# KiCad board PC110.kicad_pcb (continued)
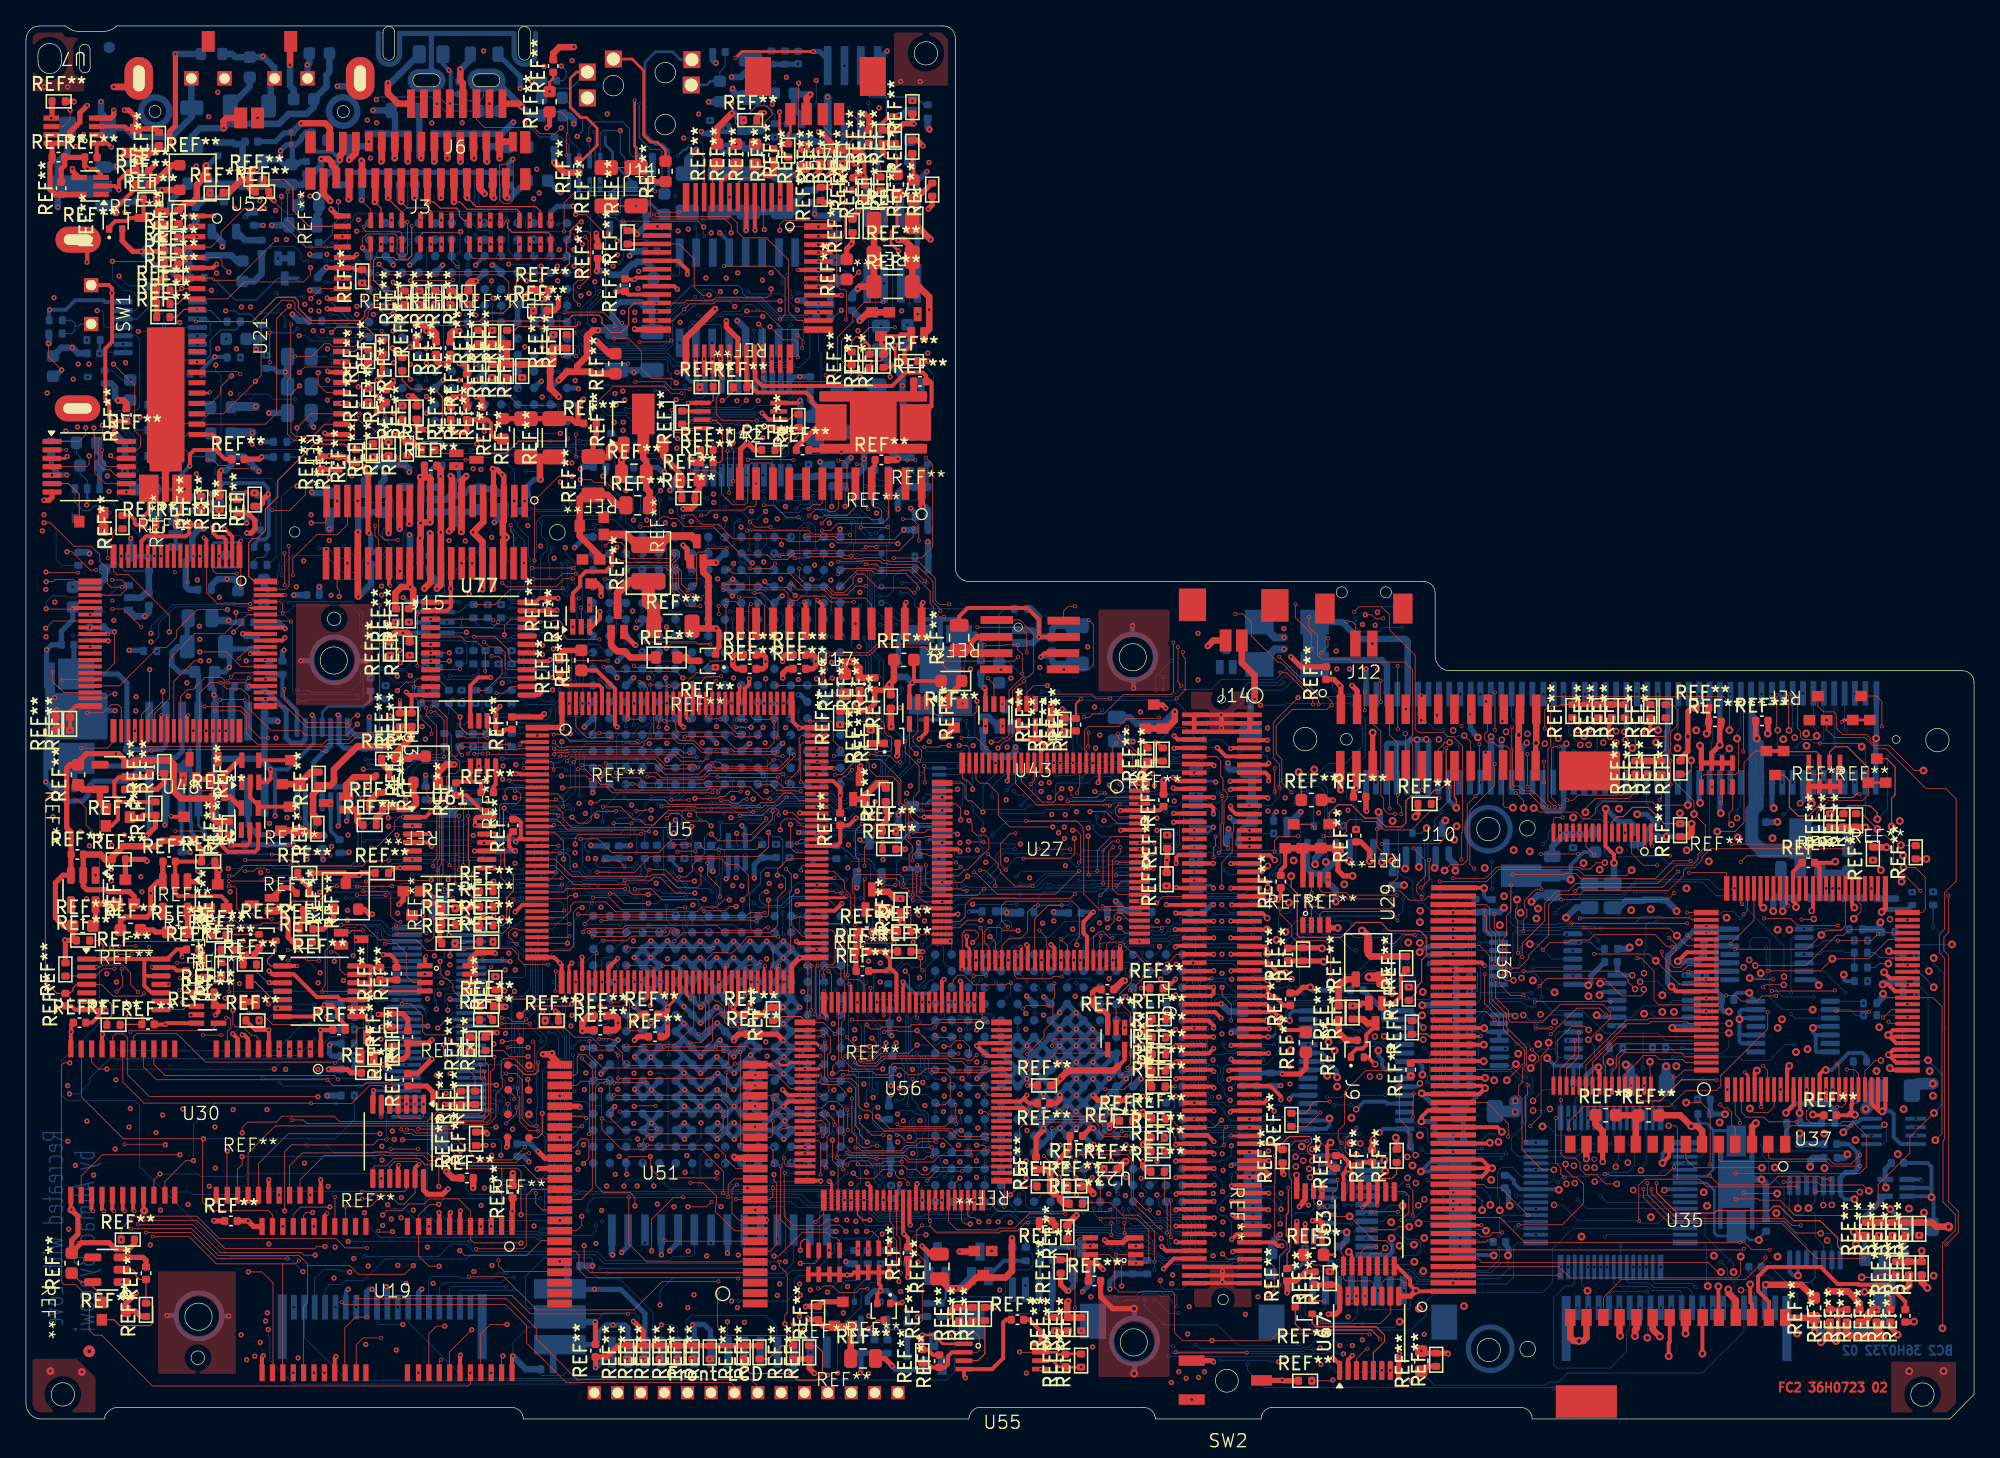
[diagram p0: board, top side]
## Routing (per net, layer and track width the routed paths; a pad name or vN(x,y) marks a point on that pad's centre or on a via; arc(x,y) is an arc through that point) (continued)
55.52,68.45 55.52,68.83 55.26,69.09 55.26,69.41 55.15,69.52 55.15,70.49 55.27,70.61 v11(55.27,70.89) ; v11(8.48,73.03) 7.66,73.03 v11(7.63,73.06) 7.63,72.82 7.72,72.73 7.72,70.45 7.1,69.83 v11(6.44,69.83) ; v11(141.68,55.91) 141.68,52.46 143.1,51.04 v11(143.39,51.04) ; v3(119.17,46.35) 119.93,45.59 119.93,43.51 118.12,41.7 118.12,38.35 118.96,37.51 118.96,36.6 118.45,36.09 118.45,32.27 118.25,32.07 118.25,29.69 v11(118.78,29.16) ; v11(61.46,63.44) v11(62.33,63.44) ; v11(59.33,70.17) 59.01,69.85 v11(59.01,68.01) 59.01,65.6 v1(58.13,64.72) ; v11(64.91,31.56) 64.52,31.56 64.28,31.8 v11(62.76,31.8) ; v5(107.71,16.91) 109.19,15.43 109.19,15.22 v11(110.47,13.94) ; v11(53.16,41.22) 52.55,41.83 50.93,41.83 50.74,41.64 49.84,41.64 49.76,41.56 49.76,37.81 49.87,37.7 49.87,35.19 49.34,34.66 45.34,34.66 45.08,34.92 v11(45.08,35.57) ; v3(114.53,47.11) 114.53,49.21 114.54,49.22 114.54,49.41 112.41,51.54 112.41,53.15 111.77,53.79 v11(110.14,53.79) ; v11(38.5,73.01) 38.5,71.04 39.22,70.32 39.22,69.11 38.96,68.85 v1(38.65,68.85) ; v11(52.89,39.44) 52.89,38.44 52.09,37.64 50.49,37.64 v11(50.03,38.1) ; v1(62.04,58.31) 62.74,57.61 v11(62.74,56.66) ; v11(63.45,49.75) 67.81,49.75 67.84,49.72 67.89,49.72 68.57,49.04 68.57,48.54 68.25,48.22 v1(67.84,48.22) ; v11(57.9,70.79) 56.89,70.79 v11(56.87,70.81) ; v11(46.55,21.54) 46.55,21.88 46.79,22.12 48.19,22.12 48.79,21.52 v11(48.79,21.11) ; v11(29.72,41.98) 29.72,51.44 29.05,52.11 29.05,53.17 29.64,53.76 29.64,54.63 29.95,54.94 29.95,56.51 30.26,56.82 30.26,57.84 29.74,58.36 29.74,61.08 29.51,61.31 v11(29.16,61.31) ; v11(41.09,56.17) 46.31,56.17 46.71,55.77 47.27,55.77 47.32,55.82 v11(48.4,55.82) ; v11(98.5,13.15) 98.5,12.58 97.93,12.01 96.75,12.01 v11(95.92,11.19) ; v11(24.6,81.06) 24.19,81.47 24.19,82.33 24.29,82.43 24.29,84.2 24.16,84.33 24.16,84.96 24.3,85.1 24.3,88.61 24.54,88.85 v11(24.8,88.85) ; v11(61.45,58.43) 61.79,58.77 62.69,58.77 62.84,58.92 63.8,58.92 64.26,58.46 64.27,58.47 66.88,58.47 67.33,58.92 67.33,63.13 67.83,63.63 67.83,66.32 67.96,66.45 v11(68.47,66.45) ; v11(60.36,33.09) 60.77,32.68 60.77,26.65 60.32,26.2 57.56,26.2 57.45,26.31 v11(57.07,26.31) ; v11(41.3,57.68) 41.3,57.66 41.29,57.65 41.48,57.46 43.71,57.46 v11(44.19,56.98) ; v1(53.14,69.57) 53.14,68.77 53.38,68.53 53.78,68.53 54.06,68.25 54.06,65.99 53.72,65.65 53.72,65.61 53.26,65.15 52.87,65.15 v11(52.54,64.82) ; v11(53.52,54.56) 53.52,54.89 53.27,55.14 53.27,55.2 53.23,55.24 v11(53.23,58.53) ; v11(59.58,36.34) 58.39,36.34 57.51,35.46 57.51,35.22 57.29,35 54.31,35 53.94,35.37 53.94,36.88 53.48,37.34 50.7,37.34 v11(50.69,37.33) ; 58.88,51.83 58.84,51.79 ; 58.88,51.83 58.74,51.69 58.74,51.39 59.12,51.01 59.12,49.51 59.63,49 59.63,47.99 60.19,47.43 60.19,43.39 58.86,42.06 58.86,40.25 57.95,39.34 56.93,39.34 55.62,40.65 53.93,40.65 53.68,40.9 53.03,40.9 52.48,41.45 v1(51.49,41.45) 50.29,41.45 50.04,41.2 v11(50.04,38.91) ; 13.97,82.82 13.97,83.65 13.41,84.21 13.01,84.21 11.97,85.25 v11(10.44,85.25) ; 13.97,82.82 v11(13.21,82.82) ; 13.97,82.82 14.11,82.82 14.52,83.23 v11(15.42,83.23) ; v11(33.56,56.16) 33.56,56.66 33.66,56.76 33.66,58.04 33.97,58.35 33.97,59.96 33.51,60.42 33.51,61.01 v11(33.54,61.04) ; v1(51.29,45.66) 51.55,45.92 51.55,46.96 50.86,47.65 50.86,50.34 51.62,51.1 52.25,51.1 52.73,51.58 52.73,53.57 53.2,54.04 53.74,54.04 54,54.3 54,58.69 54.18,58.87 v11(54.43,58.87) ; v1(43.01,25.38) 43.45,24.94 45.8,24.94 46.24,25.38 v11(46.24,25.81) ; v11(41.02,78.1) 41.67,78.1 ; 41.67,78.1 41.68,78.11 41.68,79.86 41.85,80.03 v1(42.3,80.03) ; 41.67,78.1 43.97,78.1 v11(44.01,78.14) ; v11(42.31,56.82) 42.63,56.82 42.78,56.67 46.91,56.67 47.44,57.2 v11(47.44,57.56) ; v11(28.01,42.56) 27.47,43.1 27.47,46.5 27.93,46.96 27.93,48.78 27.73,48.98 27.73,51.11 27.33,51.51 27.33,52.95 v11(27.69,53.31) ; v11(63.35,26.4) 63,26.05 v11(63,24.08) ; v11(69.39,64.45) 69.54,64.3 69.54,62.61 70.38,61.77 85.91,61.77 89.13,58.55 93.75,58.55 95.38,56.92 95.38,55.78 96.24,54.92 100.26,54.92 101.26,53.92 102.04,53.92 102.84,53.12 102.84,51.85 101.52,50.53 101.52,49.7 100.25,48.43 100.25,47.39 v1(99.57,46.71) ; v11(38.67,98.01) 39.43,97.25 41.98,97.25 42.78,96.45 v1(42.78,92.25) ; v11(61.46,52.86) 61.07,53.25 60.65,53.25 59.95,53.95 59.42,53.95 59.12,54.25 59.12,54.74 59.22,54.84 59.22,55.13 59.04,55.31 58.82,55.31 58.08,54.57 v11(56.44,54.57) ; v11(52.78,47) 52.77,46.99 v1(52.77,45.71) ; v11(53.2,50.12) 53.2,49.62 53.06,49.48 53.06,45.94 53.2,45.8 53.2,44.93 52.48,44.21 v11(51.77,44.21) ; v11(108.92,39.32) 108.52,38.92 v11(108.52,35.74) ; v11(52.46,70.97) 52.46,69.08 v11(53.65,67.89) ; v1(4.7,22.95) 4.7,32.16 3.03,33.83 3.03,35.73 2.46,36.3 2.46,37.34 3.3,38.18 3.3,43.59 2.91,43.98 2.91,45.35 4.56,47 4.56,60.66 v11(4.91,61.01) ; v11(50.01,66.06) 50.01,68.25 49.91,68.34 v1(49.91,68.92) ; v11(53.85,70.3) 53.87,70.28 v1(53.87,69.36) ; v11(67.67,70.81) 67.18,70.81 66.55,70.18 66.55,65.21 67,64.76 v11(67,61.24) ; v11(39.51,73.01) 39.51,73.91 38.96,74.46 37.96,74.46 37.13,75.29 37.13,79.28 37.27,79.42 v11(37.27,79.84) ; v11(116.21,30.41) 116.21,31.8 v11(116.2,31.81) ; v11(146.9,40.62) 146.88,40.6 v11(145.29,40.6) ; v1(36.69,29.08) 36.69,28.22 37.65,27.26 42.49,27.26 42.68,27.45 43.21,27.45 44.03,28.27 44.03,29.61 44.95,30.53 v11(44.95,33.02) ; v11(50.86,40.24) 50.86,39.22 51.51,38.57 v11(51.94,38.57) ; v11(108.93,40.54) 108.57,40.9 107.04,40.9 106.78,40.64 104.56,40.64 102.47,42.73 v11(102.44,42.73) ; v11(140.88,49.06) 141.85,49.06 143.7,47.21 v3(143.7,45.65) ; v11(44.58,78.09) 43.06,79.61 43.06,79.91 42.3,80.67 v11(41.05,80.67) ; v1(42.3,44.29) 42.73,43.86 42.73,40.18 42.21,39.66 42.21,38.78 43.48,37.51 43.48,32.31 43.67,32.12 v11(43.67,31.7) ; v11(62.99,33.54) 63.49,33.54 64.06,32.97 65.19,32.97 65.83,32.33 65.83,29.6 65.62,29.39 65.62,28.67 65.41,28.46 65.41,26.93 66.2,26.14 66.2,24.55 66.31,24.44 66.31,22.87 65.63,22.19 65.63,20.24 65.4,20.01 65.4,19.04 65.31,18.95 65.31,16.76 64.59,16.04 64.59,15.14 64.75,14.98 v1(64.75,14.46) ; v11(37.41,59.21) 38.14,59.21 v11(38.33,59.02) ; v11(15.17,52.26) 14.51,51.6 14.51,32.73 13.87,32.09 v1(12.08,32.09) ; v11(46.24,27.46) 45.79,27.91 v1(44.27,27.91) ; v11(7.72,95.71) 7.83,95.82 v11(10.86,95.82) ; v11(11.33,77.78) 11.33,80.2 10.55,80.98 10.55,84.14 v11(10.63,84.22) ; v11(52.6,62.17) 52.6,60.87 53.06,60.41 56.75,60.41 57.32,60.98 v11(57.64,60.98) ; v11(54.94,44.04) 55.39,43.59 v11(55.39,43.45) ; v11(64.43,65.17) 64.43,66.96 v11(64.41,66.98) ; v11(62.71,62.23) 63.12,62.23 63.28,62.07 64.43,62.07 64.88,62.52 64.88,67.04 64.6,67.32 v1(62.08,67.32) ; v1(61.94,94.95) 61.14,94.95 60.45,94.26 v11(50.04,94.26) ; v11(63.5,37.19) 63.79,37.48 63.79,40.28 63.48,40.59 63.48,41.07 64.11,41.7 v11(64.11,43.51) ; v11(46.81,52.62) 47.1,52.62 47.3,52.42 47.3,51.51 47.08,51.29 46.84,51.29 46.55,51 46.55,50.1 46.7,49.95 46.7,48.5 v11(46.1,47.9) ; v11(24.77,88.22) 25.39,88.22 25.81,88.64 25.81,88.91 27.06,90.16 29.8,90.16 v11(30.31,90.67) ; v11(38.54,76.25) 37.93,76.86 37.93,78.93 37.79,79.07 37.51,79.07 37.35,78.91 37.35,75.45 38.16,74.64 39.32,74.64 40.14,73.82 40.14,71.67 40.76,71.05 42.51,71.05 42.69,71.23 v1(42.69,72.38) ; v11(50.75,63.43) 50.75,60.61 50.12,59.98 50.12,58.74 49.93,58.55 49.93,55.18 49.26,54.51 48.84,54.51 48.64,54.31 47.53,54.31 47.16,53.94 45.02,53.94 43.95,52.87 43.95,51.43 43.03,50.51 v11(41.94,50.51) ; v11(46.17,55.83) 45.7,55.36 42.57,55.36 42.46,55.47 41.97,55.47 41.86,55.36 40.99,55.36 40.94,55.31 v11(40.5,55.31) ; v1(88.26,10.43) 88.26,9.89 87.84,9.47 87.84,8.09 88.35,7.58 v11(88.35,5.62) ; v11(60.52,70.5) 60.27,70.75 60.27,71.28 60.42,71.43 61.32,71.43 61.75,71 v11(63.4,71) ; v11(53.24,39.74) 53.24,38.28 v11(52.6,37.64) ; 10.05,78.27 v11(10.05,74.21) ; v11(10.75,79.28) 9.93,79.28 9.55,78.9 9.55,75.85 9.75,75.65 9.75,70.46 10.86,69.35 11.03,69.35 13.95,66.43 13.95,62.75 ; v1(39.77,78.76) 39.06,78.76 38.58,79.24 38.58,79.77 38.01,80.34 37.11,80.34 v11(36.78,80.67) ; v11(62.8,27.03) 62.8,24.51 62.55,24.26 62.55,23.71 v11(62.17,23.33) ; v1(55.49,78.49) 56.04,77.94 57.25,77.94 59.24,75.95 59.24,71.67 v11(58.96,71.39) ; v11(55.7,66.93) 55.7,66.62 55.55,66.47 55.55,63.28 56.31,62.52 57.18,62.52 57.92,61.78 59.29,61.78 v11(59.46,61.95) ; v11(49.98,63.42) 49.98,60.78 48.88,59.68 48.88,59.15 49.4,58.63 49.4,57.56 49.69,57.27 49.69,56.9 49.44,56.65 49.44,55.21 49.18,54.95 47.37,54.95 47.05,54.63 v11(45.67,54.63) ; v11(57.43,65.33) 57.43,65.73 57.29,65.87 57.29,68.12 56.55,68.86 56.55,71.87 57.16,72.48 57.16,73.39 57.01,73.54 57.01,75.08 57.27,75.34 57.27,75.9 v1(56.78,76.39) ; v11(46.19,77.85) 46.19,77.83 45.82,77.46 45.16,77.46 44.94,77.24 v11(44.37,77.24) ; v11(28.95,75.71) 28.95,76.28 28.74,76.49 26.88,76.49 26.05,77.32 26.05,77.88 26.29,78.12 28.71,78.12 28.94,78.35 28.94,78.73 v11(28.93,78.74) ; v11(60.21,36.9) 59.78,37.33 v11(58.35,37.33) ; v1(28.05,54.19) 28.05,54.76 27.7,55.11 v11(27.7,56.51) ; v3(145.04,16.21) 145.04,21.98 145.55,22.49 v11(145.55,22.49) ; v11(41.22,82.38) v11(42.22,82.38) ; v11(58.73,53.92) 58.22,53.92 58.03,53.73 58.03,52.63 57.85,52.45 57.85,51.47 58.04,51.28 58.57,51.28 58.93,50.92 58.93,50.53 58.65,50.25 56.37,50.25 55.92,49.8 55.92,48.72 56.01,48.63 v1(56.01,47.77) ; v11(48.11,76.22) 48.09,76.24 48.09,83.1 48.43,83.44 49.33,83.44 50.39,84.5 v1(50.39,84.51) ; 77.05,3.53 v1(77.06,3.53) 76.28,2.75 11.12,2.75 7.94,5.93 v1(7.94,22.49) ; v11(26.42,50.43) 26.42,49.59 26.32,49.49 v1(26.32,48.71) ; v11(36.56,79.57) 36.56,79.94 36.75,80.13 37.67,80.13 38.37,79.43 38.37,78.17 39.2,77.34 42.52,77.34 44.6,75.26 v11(46,75.26) 46.26,75.26 46.42,75.42 46.42,76.66 46.26,76.82 v1(46.01,76.82) ; v3(146.16,49.97) 139.39,49.97 v11(138.48,49.06) ; v11(42.64,48.03) 42.13,47.52 v11(42.13,46.99) ; v11(26.39,77.51) 26.39,77.73 26.55,77.89 29.12,77.89 29.45,78.22 v1(29.45,78.83) ; v1(44.29,39.43) 44.29,34.51 44.82,33.98 v11(45.6,33.98) ; v11(24.32,72.52) 24.32,80.59 24.46,80.73 30.2,80.73 30.39,80.54 31.08,80.54 31.29,80.75 31.29,81.87 v11(31.48,82.06) ; v1(94.89,9.41) 95.36,8.94 95.81,8.94 96.37,9.5 96.37,9.83 v11(96.87,10.33) ; v11(140.08,49.06) 140.08,48 142.16,45.92 142.16,45.21 142.81,44.56 143.53,44.56 144.33,45.36 v3(144.33,46.08) ; v11(37.83,92.25) 37.83,93.44 39.34,94.95 v1(39.34,96.31) ; v11(41.6,49.98) 41.6,50.68 41.77,50.85 43.11,50.85 43.63,51.37 v11(43.63,52.53) ; v11(59.63,23.62) 60.06,23.62 60.59,23.09 60.59,19.52 59.65,18.58 v1(59.65,13) ; v11(103.98,49.06) 104.61,49.69 112.8,49.69 113.91,48.58 113.91,47.05 114.38,46.58 114.85,46.58 v3(115.35,47.08) ; v11(48.28,53.47) 48.51,53.47 49.1,54.06 49.5,54.06 50.8,55.36 50.8,56.15 50.13,56.82 50.13,57.96 50.82,58.65 50.82,60.08 51.25,60.51 v11(51.25,65.12) ; v11(135.95,32.85) v11(135.95,31.19) ; v11(113.46,36.72) 114.4,36.72 v11(115.05,37.37) ; v11(65.84,12.98) 65.61,12.98 65.08,13.51 65.08,14.17 65.31,14.4 65.31,15.02 v1(65,15.33) ; v11(65.05,68.18) 65.09,68.14 65.09,62.47 64.4,61.78 62.42,61.78 v11(62.03,62.17) ; v11(38.03,83.19) 38.68,83.84 v11(42.99,83.84) ; v11(134.31,20.66) 134.24,20.66 133.2,19.62 133.2,16.21 135.35,14.06 135.35,11.18 134.99,10.82 133.09,10.82 128.5,15.41 128.5,20.21 128.06,20.65 127.37,20.65 127.13,20.41 127.13,19.76 126.11,18.74 122.32,18.74 122.2,18.86 118.69,18.86 117.7,19.85 113.47,19.85 112.47,20.85 v11(112.15,20.85) ; v11(46.07,72.37) 45.56,72.88 v11(45.56,73.4) ; v11(119.14,36.09) 119.2,36.15 v11(119.2,40.4) ; v11(41.04,76.84) v11(42.31,76.84) ; v11(55.7,59.87) 52.18,59.87 51.43,59.12 51.43,54.86 50.19,53.62 50.19,53.07 49.82,52.7 49.82,49.14 49.2,48.52 49.2,44.8 49.03,44.63 47.6,44.63 47.39,44.84 46.26,44.84 45.83,44.41 45.83,41.85 45.78,41.8 v11(45.78,38.12) ; v11(64.64,45.77) 65.28,45.77 65.58,46.07 65.58,46.67 64.79,47.46 64.79,47.88 v11(65.49,48.58) ; v11(47.96,38.05) 47.36,38.65 v11(47.36,41.84) ; v11(43.51,85.25) 43.47,85.25 43.11,84.89 43,84.89 42.76,84.65 41.3,84.65 41.06,84.89 v11(41.07,84.9) ; v11(60.82,67) 61.2,66.62 63.98,66.62 v11(64.01,66.59) ; v11(119.16,44.02) 118.88,43.74 v3(115.83,43.74) ; v11(77.99,51.11) 77.99,51.92 78.29,52.22 83.69,52.22 84.72,53.25 90.51,53.25 91.37,52.39 93.24,52.39 93.89,51.74 93.89,49.2 94.76,48.33 96.01,48.33 v11(96.25,48.09) ; v11(50.81,41.15) 51.11,41.15 51.25,41.01 52.03,41.01 52.73,40.31 v11(53.48,40.31) 53.75,40.04 53.75,38.06 54.36,37.45 56.49,37.45 57.19,38.15 v11(58.96,38.15) ; v11(42.99,52.8) 43.45,52.8 44.91,54.26 47.11,54.26 47.49,54.64 v11(48.01,54.64) ; v11(53.02,76.31) 53.02,79.23 52.62,79.63 52.62,80.11 52.86,80.35 53.32,80.35 53.66,80.01 58.07,80.01 v11(58.14,79.93) ; v11(53.46,68.91) 54,68.91 54.27,68.64 54.27,67.03 54.99,66.31 v11(54.99,65.99) ; v11(93.55,12.58) 93.59,12.62 93.59,15.04 93.97,15.42 93.97,16.49 95,17.52 95,18.67 94.71,18.96 v11(94.53,18.96) ; v11(53.25,81.22) 54.23,80.24 56.56,80.24 56.87,80.55 58.17,80.55 58.56,80.16 58.56,76.9 59.45,76.01 59.45,70.68 59.66,70.47 59.66,70.03 59.23,69.6 59.23,68.43 59.34,68.32 59.34,64.3 59.58,64.06 60.12,64.06 v11(60.81,63.37) ; v11(38.97,57.12) 38.97,57.48 39.17,57.68 40.93,57.68 41.38,57.23 42.63,57.23 42.74,57.12 v11(43.6,57.12) ; v1(59.65,9.53) 59.16,10.02 59.16,12.28 v11(58.5,12.94) ; v11(42.64,28.04) 42.64,28.21 42.41,28.44 42.41,30.74 v1(42.05,31.1) 41.62,31.1 41.4,31.32 41.4,32.25 40.37,33.28 40.37,37.8 40.78,38.21 40.78,39.11 40.61,39.28 40.61,48.81 40.88,49.08 41.61,49.08 42.83,50.3 43.1,50.3 44.17,51.37 44.17,52.66 45.26,53.75 47.43,53.75 48.06,53.12 48.54,53.12 49.3,53.88 49.72,53.88 51.03,55.19 51.03,59.87 51.93,60.77 51.93,63.75 51.84,63.84 51.84,66.59 v11(52.5,67.25) ; v11(60.22,38.17) 59.92,38.47 57.16,38.47 56.48,37.79 55.27,37.79 54.17,38.89 v1(54.17,40.01) ; v11(108.65,32.44) 108.65,30.16 108.59,30.1 v11(108.59,28.63) ; v11(30.62,55.92) 30.61,55.91 30.61,53.99 30.52,53.9 v1(30.52,53.35) ; v11(40.24,29.8) 40.24,31.54 39.74,32.04 39.74,41.09 39.84,41.19 39.84,53.29 39.47,53.66 39.47,54.73 40.33,55.59 41.06,55.59 41.13,55.52 41.77,55.52 41.88,55.63 42.59,55.63 42.7,55.52 45.24,55.52 v11(45.54,55.82) ; v11(55.75,56.46) 58.38,56.46 58.91,56.99 v11(58.91,57.55) ; v11(63.83,60.5) 65.5,60.5 66.09,61.09 66.09,61.36 65.99,61.46 v11(65.99,61.73) ; v11(41.69,75.41) 41.69,72.72 v1(41.17,72.2) ; v11(49.33,63.41) 49.66,63.08 v11(49.66,62.19) ; v11(57.59,66.77) 57.59,68.49 v11(57.61,68.51) ; v11(114,20.47) 117.23,20.47 117.44,20.68 118.92,20.68 119.81,21.57 119.81,27.01 119.54,27.28 v11(119.54,28.45) ; v11(59.63,24.59) 60.8,24.59 61.66,25.45 61.66,27.33 61.14,27.85 61.14,30.21 61.98,31.05 v11(62.59,31.05) ; v11(40.72,51.17) 42.97,51.17 v11(42.99,51.15) ; v11(57.49,37.43) 56.74,37.43 56.56,37.25 54.26,37.25 53.51,38 53.51,39.84 53.3,40.05 v1(52.25,40.05) ; v1(58.51,53.28) 59.01,52.78 59.61,52.78 59.7,52.69 v11(60.12,52.69) ; v11(7.48,82.82) 7.48,82.83 7.48,85.42 v11(7.48,85.42) ; v11(57.47,18.28) 57.47,16.37 v11(57.48,16.36) ; 22.26,45.67 v13(22.28,45.69) 22.29,45.7 ; v11(118.68,37.33) 118.68,36.97 118.04,36.33 118.04,33.56 118.26,33.34 118.26,32.47 117.33,31.54 117.33,31.02 116.16,29.85 116.16,29.25 116.02,29.11 116.02,28.74 115.43,28.15 115.43,27.63 115.29,27.49 115.29,27.13 114.96,26.8 114.54,26.8 113.94,27.4 v11(113.94,28.51) ; v11(55.72,58.34) 56.38,58.34 56.78,57.94 59.35,57.94 v11(59.55,57.74) ; v11(45.97,36.83) 46.43,37.29 47.01,37.29 47.25,37.05 47.65,37.05 48.4,37.8 48.4,40.19 48.54,40.33 48.54,40.38 48.55,40.39 v1(48.55,41.28) ; 13.95,62.75 13.46,62.26 ; v11(54.93,69.23) v11(54.93,71.18) ; v11(109.32,26.38) 109.04,26.38 108.57,25.91 108.57,25.55 108.85,25.27 108.85,17.86 108.37,17.38 107.16,17.38 106.93,17.15 106.93,16.77 v5(107.24,16.46) ; v1(56.87,91.66) 56.87,92.96 56.19,93.64 49.72,93.64 49.4,93.96 49.4,94.46 50.22,95.28 v11(50.22,97.36) ; v11(42.03,59.07) 43.39,59.07 v11(43.47,58.99) ; v11(64.29,47.99) 64.29,47.36 63.39,46.46 63.39,46.1 v11(63.67,45.82) ; 40.12,99.5 v1(40.11,99.49) ; v11(108.57,25.02) 108.57,17.97 108.16,17.56 106.8,17.56 106.55,17.31 v3(106.55,14.81) ; v11(41.17,27.69) 43.02,27.69 43.28,27.95 43.28,29.17 44.77,30.66 44.77,32.22 44.6,32.39 v11(44.31,32.39) ; v11(49.58,70.94) 49.03,70.39 48.49,70.39 48.28,70.6 47.09,70.6 46.86,70.83 46.86,74.08 46.59,74.35 v11(46.32,74.35) ; v11(55.83,75.93) 56.32,75.44 56.32,68.62 56.83,68.11 v1(56.83,66.05) 56.83,65.15 56.47,64.79 56.47,63.71 57.32,62.86 59.03,62.86 59.1,62.79 v11(59.51,62.79) ; v11(67.5,64.44) 67.5,66.54 68.53,67.57 68.53,69.03 69.53,70.03 69.53,71.83 v11(69.01,72.35) 69.39,72.73 v11(69.39,78.02) ; v11(45.99,75.64) 44.83,75.64 v11(43.3,77.17) ; v11(64.04,71.63) 64.04,74.27 63.34,74.97 61.73,74.97 v11(61.74,74.96) ; v11(104.18,20.77) 104.2,20.79 v11(107.5,20.79) ; v11(62.16,21.99) 61.78,21.99 60.96,21.17 60.96,19.41 60.03,18.48 60.03,13.88 60.24,13.67 60.24,12.59 v1(59.64,11.99) ; v1(98.78,16.48) 99.36,16.48 100.6,17.72 100.6,20.83 100.89,21.12 100.89,23.54 100.75,23.68 v11(100.75,24.2) ; v11(48.09,62.49) 47.74,62.84 47.31,62.84 v1(46.73,62.26) ; v11(136.08,49.06) 136.08,46.75 139.35,43.48 144.51,43.48 v3(144.59,43.4) ; v11(33.55,61.7) 35.02,61.7 37.1,63.78 39.54,63.78 39.84,64.08 40.95,64.08 41.08,64.21 42.18,64.21 42.6,63.79 43.72,63.79 43.97,64.04 46.13,64.04 46.47,63.7 46.47,63.26 45.61,62.4 45.61,62.05 45.87,61.79 47.58,61.79 47.81,61.56 47.81,58.4 48.12,58.09 v11(48.12,57.57) ; v11(58.75,52.54) 59.56,52.54 59.94,52.16 63.15,52.16 63.28,52.03 64.3,52.03 64.73,52.46 v11(67.77,52.46) ; v1(27.04,78.83) 26.39,79.48 26.39,80.01 v11(26.4,80.02) ; v11(35.39,59.21) 35.81,58.79 36.69,58.79 36.85,58.64 37.42,58.64 38.03,58.02 38.03,56.41 38.24,56.2 v11(38.24,55.5) ; v11(57.49,47.62) 57.49,46.47 57.3,46.28 v11(57.05,46.28) ; v11(141.54,31.12) 141.54,30.39 142.93,29 146.58,29 v11(147.73,30.15)
  BC1 w0.08: v11(70.57,4.1) 68.61,4.1 v11(67.89,4.82) ; v11(4.76,80.3) 5.41,80.95 5.41,81.85 v11(5.68,82.12)
  BC1 w0.1: 40.12,99.5 40.12,100.07 40.16,100.11 41.24,100.11 41.98,99.37 42.6,99.37 42.79,99.18 v11(43.78,99.18) ; v11(57.42,105.42) 57.59,105.25 v11(57.59,103.02) ; v1(52.02,99.21) 53.62,99.21 v11(53.88,99.47) 54.6,99.47 54.86,99.2 57.29,99.2 v11(57.71,98.78) ; v1(58.05,100.72) 58.05,99.71 58.77,98.99 58.77,97.62 57.86,96.71 51.68,96.71 50.38,98.01 47.66,98.01 46.66,97.01 46.66,93.42 v11(46.65,93.41) ; v1(51.81,100.56) 52.33,100.04 52.7,100.04 ; v11(51.11,98.11) 51.34,98.34 53.02,98.34 53.45,97.92 v11(53.88,97.92)
  BC1 w0.15: 43.23,101.14 43.23,100.83 43.82,100.24 44.14,100.24 44.62,99.76 v11(44.62,98.92)
  BC1 w0.2: v13(69.92,6) 69.92,7.29 70.6,7.97 70.6,8.09 70.86,8.35 70.97,8.35 71.87,9.25 v13(76.04,9.25) ; v13(70.2,12.92) 72.07,11.05 76.61,11.05 76.99,10.67 v13(76.99,10.29) ; v13(78.1,13.21) 77.72,12.83 73.54,12.83
  BC1 w0.3: v13(62.36,91.17) 62.36,92.69 63.78,94.11 63.78,94.39 65.48,96.09 66.33,96.09 66.94,96.7 67.29,96.7 67.44,96.85 67.44,97.45 67.8,97.81 68.05,97.81 69.59,99.35 v10(69.59,99.37) ; v1(24.04,45.7) 24.01,45.67 22.32,45.67 22.29,45.7 ; 22.26,45.67 22.26,45.02 21.47,44.23 v1(20.62,44.23)
  BC1 w0.4: v1(4.89,66.69) 6.9,66.69 v1(8.07,67.86) 9.05,68.84 9.05,73.74 6.81,75.98 ; v1(13.88,96.6) 17.92,92.56 18.77,92.56 18.93,92.4 v1(18.93,91.98) ; v11(59.48,55.82) 60.8,54.5 62.27,54.5 62.89,53.88 68.45,53.88 71.64,57.07 71.64,58.08 71.99,58.43 v11(73.56,58.43) ; v12(67.2,58.14) 66.83,57.77 65.29,57.77 63.35,55.83 v12(62.17,55.83)